# Altium PCB SAC100001-RFSENS.PcbDoc (part 4 of 4)
Units mm, origin at the board's own origin, x right, y up, seen from the top; angles counter-clockwise.
Board outline 131 x 101.6 mm, 4 copper layers (TOP, GND, PWR, BOT), stack 1.57 mm thick; 321 components, 246 nets, 1159 pads, 1505 vias.
Unrouted connection lines stored in the file: 2.
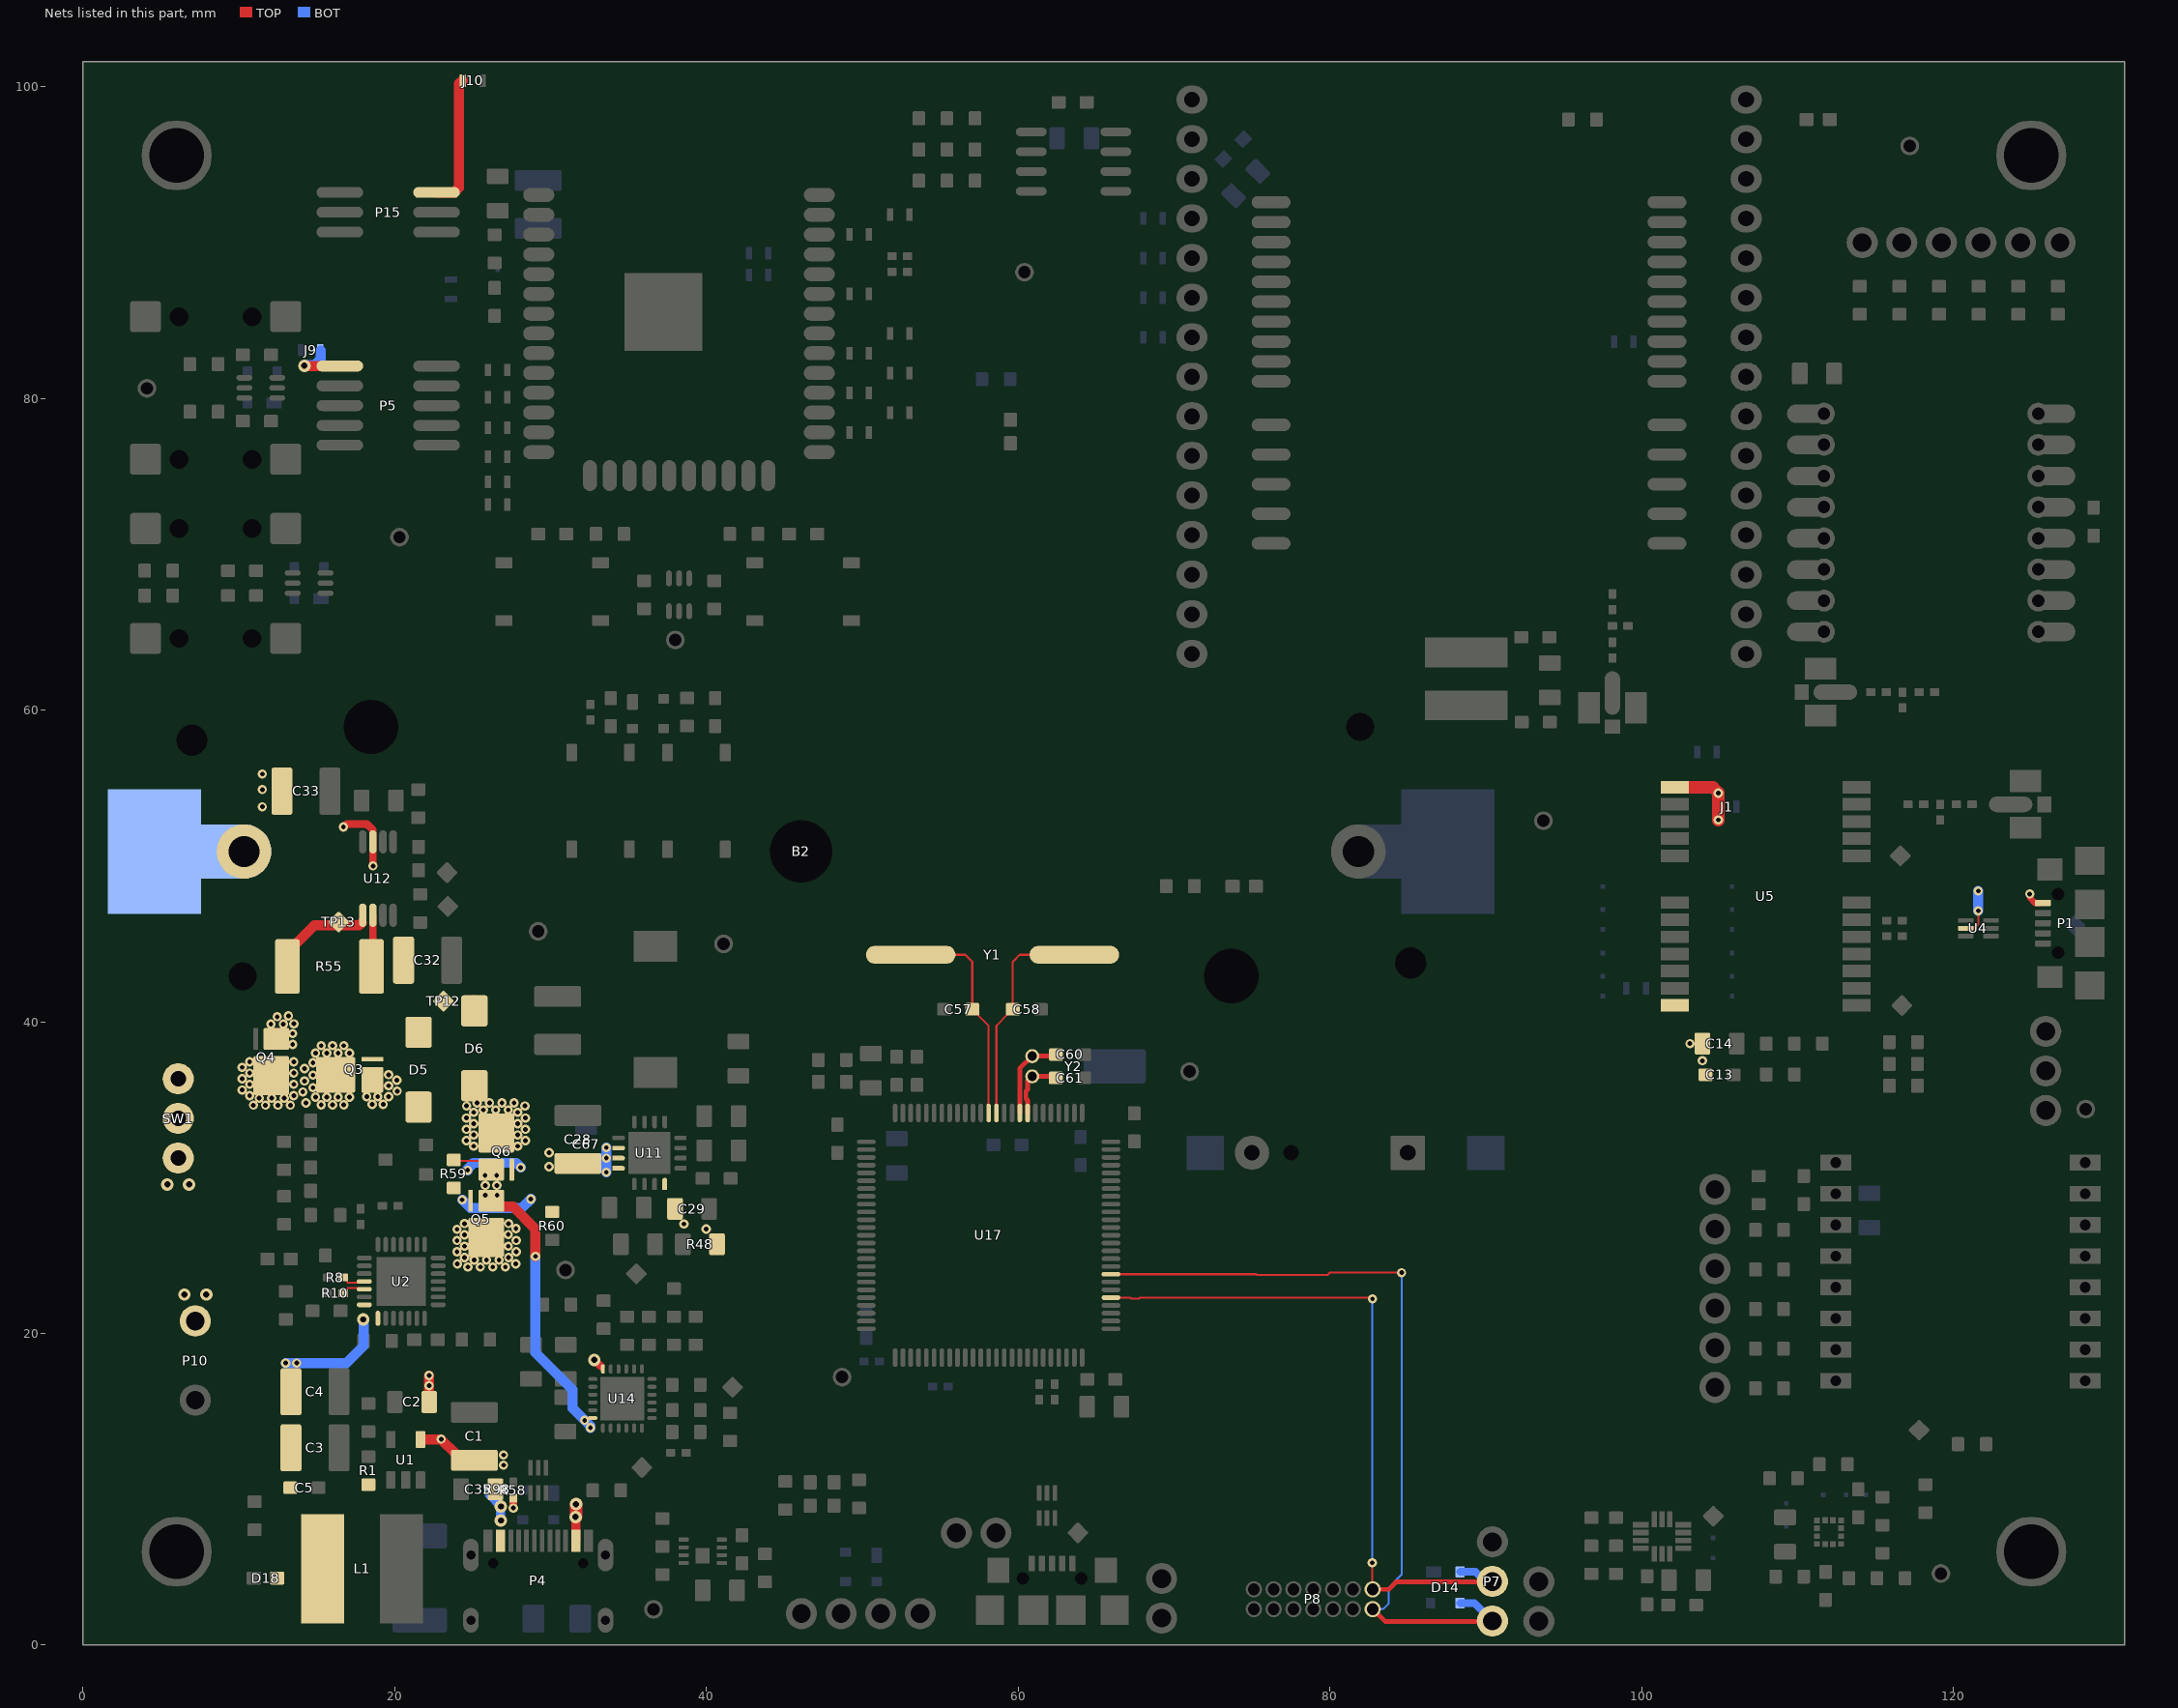
[diagram p6: the nets of this part, all layers, seen from the top]

## Via types
v1: diameter 0.6, hole 0.3, TOP to BOT, tented both sides, 1076 vias
v2: diameter 0.6/0.6 (per signal layer), hole 0.3, TOP to BOT, tented both sides, 359 vias
v3: diameter 0.8, hole 0.4, TOP to BOT, tented both sides, 70 vias

## Nets (pads, with @x,y where several pads share a name; then routed paths per layer and width w, separated by ;. In a path a pad name is that pad's centre, name@x,y a point inside that pad or via, vN(x,y) a via of type N, cw(c..) or ccw(c..) an arc to the next point about the centre after c; other vN are vias at no path point) (continued)
UGND: C13.1 C14.1 J1.1 P1.5 U4.2 U5.13 U5.24 | length 8.8
  TOP w0.127: U4.2@120.795,46 120.818,46.023 121.355,46.023 121.6,46.268 v1(121.6,47.125)
  TOP w0.4: v1(124.9,48.2) 124.938,48.162 124.938,47.921 125.234,47.625 P1.5@125.56,47.625
  TOP w0.8: U5.13@102.116,55.05 102.85,55.05 104.575,55.05 v1@104.925,54.7 ; v1@104.925,52.925 v1@104.925,54.7 ; v1(104.925,54.675) v1@104.925,54.7
  BOT w0.65: v1(121.6,47.125) v1(121.6,48.4)
  other v1: 103.9,37.5 103.1,38.6 104.925,52.95
USB_D1_N: R10.2 U2.5 | length 1.6
  TOP w0.127: R10.2@16.687,22.59 16.737,22.59 16.923,22.777 16.923,22.851 16.997,22.925 17.575,22.925 17.66,22.84 U2.5@18.042,22.84
USB_D1_P: R8.2 U2.4 | length 1.6
  TOP w0.127: R8.2@16.687,23.59 16.737,23.59 16.923,23.404 16.923,23.33 16.997,23.255 17.575,23.255 17.66,23.34 U2.4@18.042,23.34
VB_CONST: D5.C Q3.1 SW1.1 | length 0.1
  TOP w0.65: Q3.1@18.9,35.9 Q3.1@18.925,35.875
  BOT w1.6: SW1.1@6.1,36.34 SW1.1@6.177,36.263
  other v1: 18.55,34.7 19.25,34.7 18.2,35.2 18.9,35.2 19.6,35.2 20.15,35.55 19.6,35.9 20.125,36.25 19.6,36.6
VBUS: D5.A D6.A Q3.2 Q6.3
  other v1: 25.063,32.015 27.887,32.015 24.597,32.375 28.375,32.375 25.063,32.74 27.887,32.74 24.597,33.1 28.375,33.1 25.063,33.465 27.887,33.465 24.597,33.825 28.375,33.825 25.063,34.19 27.887,34.19 25.675,34.35 26.475,34.35 27.275,34.35 24.6,34.6 28.35,34.6 25.275,34.8 26.075,34.8 26.875,34.8 27.65,34.8
VBUS_RAW: C1.1 C2.2 C35.2 P4.A4-B9 P4.A9-B4 Q5.3 R58.1 R98.2 U1.4 U14.18 | length 11.1
  TOP w0.5: v1(27.6,8.8) R58.1@27.6,9.4 ; v3(32.8,18.3) 32.825,18.3 U14.18@33.225,17.9
  TOP w0.6: P4.A9-B4@31.625,6.695 v3@31.625,8.05
  TOP w0.65: 22,13.2 22.975,13.2 23.915,12.26 23.915,12.205 C1.1@24.26,11.86 ; C2.2@22.2,15.6 v1(22.2,16.65) v1(22.2,17.3) ; C1.1@25.1,11.86 C1.1@25.16,11.8 ; v3(26.8,8.9) v3@26.829,8.871
  TOP w0.8: v3@31.625,8.224 31.625,9.043 v3(31.629,9.046)
  BOT w0.5: v3@32.731,18.231 v3(32.8,18.3)
  BOT w0.6: R98.2@26.075,9.95 26.075,9.666 v3@26.8,8.941 ; v3@26.775,8 v3@26.775,8.75
  BOT w0.65: v3(26.8,8.9) v3@26.8,8.941 ; v3(31.601,8.224) 31.615,8.238 31.615,9.032 v3(31.629,9.046)
  other v1: 26.975,11.55 26.975,12.2 22.972,13.215 24.687,24.264 25.487,24.264 26.287,24.264 27.087,24.264 24.012,24.464 27.762,24.464 25.087,24.714 25.887,24.714 26.687,24.714 24.474,24.874 27.299,24.874 23.987,25.239 27.787,25.239 24.474,25.599 27.278,25.602 23.987,25.964 27.787,25.964 24.474,26.324 27.278,26.353 23.987,26.689 27.778,26.728 24.474,27.049 27.299,27.049
  other v3: 26.8,8
VBUSc: C32.1 D6.C R55.1 TP12.1 U12.2 | length 2.6
  TOP w0.49: R55.1@18.591,44.459 U12.2@18.591,46.839
  TOP w1.6: D6.C@25.05,40.9 25.1,40.85 D6.C@25.1,40.7
VBUSd: Q5.2 Q6.2 R59.1 R60.2 | length 8.6
  BOT w0.65: v1(24.325,28.575) 24.85,28.05 28.15,28.05 v1(28.725,28.625) ; v1(24.675,30.475) 24.675,30.569 25.056,30.95 27.775,30.95 v1(28.075,30.65)
VBUSi: Q5.1 Q6.1 R59.2 U14.24 | length 19.1
  TOP w0.127: R59.2@23.839,31.086 Q6.1@25.45,31.086
  TOP w0.25: U14.24@32.525,14.575 U14.24@32.7,14.575
  TOP w0.65: Q5.1@26.562,28.139 27.586,28.139 29.025,26.7 v1(29.025,24.95)
  BOT w0.65: v1(29.025,24.95) 29.025,18.775 31.4,16.4 31.4,15.2 v1(32.175,14.425) 32.55,14.05 v1(32.55,13.95)
  other v1: 25.812,28.864 26.562,28.864 25.8,29.5 26.55,29.5 25.787,30.139 26.537,30.139
VBUSs: Q4.1 R55.2 TP13.1 U12.1 | length 6.5
  TOP w0.65: R55.2@13.1,43.55 13.1,44.5 13.575,44.975 13.625,44.975 14.85,46.2 17.71,46.2 U12.1@17.868,46.358
  TOP w1.4: Q4.1@12.4,38.9 Q4.1@12.456,38.9
  other v1: 13.45,38.55 13.45,39.25 12.05,39.85 12.85,39.85 13.525,39.875 12.45,40.325 13.175,40.375
VCC_CP: C3.1 C4.1 C5.2 D18.A L1.2 R1.2 U2.7 U2.8 | length 7.2
  TOP w0.65: R1.2@18.25,10.3 R1.2@18.3,10.3
  BOT w0.65: v1(13,18.1) v1(13.7,18.1) 16.9,18.1 18,19.2 v3@18,20.9
  other v3: 17.975,20.9
VCCeprog: J10.1 P15.2 | length 8.6
  TOP w0.65: P15.2@22.675,93.22 23.811,93.22 24.1,93.509 24.1,100.175 24.325,100.4 J10.1@24.375,100.4
VCCjeprog: J9.1 P5.1 | length 5.2
  TOP w0.65: v3(14.2,82.1) 14.22,82.08 P5.1@16.475,82.08
  TOP w0.7: P5.1@15.35,82.09 P5.1@16.5,82.09
  BOT w0.65: v3(14.2,82.1) 14.229,82.129 14.829,82.129 15.243,82.543 J9.1@15.243,83.082
VCPRX: D14.3 P7.1 P8.13 U17.83 | length 51.5
  TOP w0.127: U17.83@65.95,23.8 75.257,23.8 75.311,23.746 79.832,23.746 79.986,23.9 84.5,23.9 v1@84.566,23.834
  TOP w0.3: P8.13@82.74,2.314 83.534,1.52 P7.1@89.835,1.52
  BOT w0.127: P8.13@82.74,2.314 83.414,2.314 83.775,2.675 83.775,3.7 84.6,4.525 v1(84.6,23.9)
  BOT w0.5: D14.3@88.35,2.7 89.27,2.7 P7.1@90.425,1.545
VCPTX: D14.2 P7.2 P8.14 U17.80 | length 45.6
  TOP w0.127: U17.80@65.95,22.3 67.184,22.3 67.261,22.223 67.739,22.223 67.816,22.3 v1@82.7,22.3 ; v1@82.7,22.4 v1@82.7,22.3 ; v1(82.71,5.29) 82.72,5.28 82.72,3.604 P8.14@82.74,3.584 ; v1(82.727,22.223) 82.7,22.25 v1@82.7,22.3
  TOP w0.3: P8.14@82.74,3.584 83.784,3.584 84.26,4.06 P7.2@90.2,4.06
  BOT w0.127: v1(82.71,5.29) 82.71,22.206 v1(82.727,22.223) ; P7.2@89.953,4.085 P7.2@90.425,4.085
  BOT w0.5: D14.2@88.35,4.7 89.338,4.7 P7.2@89.953,4.085
VIN_MAIN_DC: C28.1 C29.2 C67.2 R48.2 SW1.2 U11.2 U11.3 U11.4 U11.8 | length 3.8
  TOP w0.65: R48.2@40.675,25.724 R48.2@40.699,25.7
  BOT w0.65: C67.2@32.45,30.875 33.575,30.875 ; C67.2@32.45,31.225 v1@33.55,31.225 ; v1(33.575,30.35) 33.575,30.875 ; v1(33.575,31.925) 33.575,30.875
  other v1: 39.975,26.7 38.55,27.025 29.9,30.7 33.575,31.25 29.9,31.6
VLI-ION: B2.POS C33.1 Q3.3 Q4.3 U12.7 | length 4.5
  TOP w0.49: v1(16.7,52.5) 16.73,52.5 16.924,52.694 18.209,52.694 18.591,52.312 U12.7@18.591,51.549 v1@18.591,50
  TOP w1.6: B2.POS@10.325,50.925 B2.POS@10.325,50.975
  other v1: 10.925,34.65 11.7,34.65 12.5,34.65 13.3,34.65 15.275,34.675 16,34.675 16.725,34.675 14.3,34.8 11.3,35.1 12.1,35.1 12.9,35.1 14.91,35.163 15.635,35.163 16.36,35.163 17.085,35.163 10.688,35.26 13.512,35.26 14.1,35.5 10.2,35.625 14.75,35.775 10.688,35.985 13.512,35.985 14.2,36.2 10.2,36.35 14.75,36.575 10.688,36.71 13.512,36.71 14.2,37 10.2,37.075 14.75,37.375 10.688,37.435 13.512,37.435 14.91,37.987 15.635,37.987 16.36,37.987 17.085,37.987 15.275,38.475 16,38.475 16.725,38.475 18.6,50 11.5,53.8 11.5,54.9 11.5,55.9
VPLUG: P10.1 SW1.3
  other v3: 6.5,22.5 7.9,22.5 5.4,29.56 6.8,29.56
Y8A: C57.2 U17.13 Y1.1 | length 13.8
  TOP w0.127: Y1.1@53.1,44.3 56.6,44.3 57.05,43.85 C57.2@57.05,40.8 ; C57.2@57.373,40.477 58.1,39.75 U17.13@58.1,34.15
Y8B: C58.2 U17.12 Y1.2 | length 14.3
  TOP w0.127: U17.12@58.6,34.15 58.6,39.75 59.327,40.477 59.327,40.527 59.6,40.8 C58.2@59.65,40.8 59.65,43.85 60.1,44.3 Y1.2@63.6,44.3
Y32A: C60.2 U17.9 Y2.1 | length 5.5
  TOP w0.127: C60.2@62.325,37.8 C60.2@62.425,37.9
  TOP w0.3: U17.9@60.1,34.15 60.1,37 Y2.1@60.9,37.8 C60.2@62.325,37.8
Y32B: C61.2 U17.8 Y2.2 | length 4
  TOP w0.3: U17.8@60.6,34.15 60.6,34.951 60.493,35.058 60.493,35.555 60.6,35.662 60.6,36.225 60.875,36.5 Y2.2@60.9,36.5 C61.2@62.325,36.5
pads on no net: B1.H B2.MECH HOLE1.None HOLE2.None HOLE3.None HOLE4.None P1.None P1.S1 P1.S2 P1.S3 P1.S4 P1.S5 P1.S6 P4.A8 P4.B8 P4.MECH P5.10 P8.1 P8.2 P9.None P9.S1 P9.S2 P9.S3 P9.S4 P9.S5 P9.S6 SW2.MECH SW3.MECH SW8.MECH SW9.MECH U1.1 U2.1 U2.2 U2.10 U2.12 U2.13 U2.14 U2.15 U2.16 U2.17 U2.18 U2.19 U2.20 U2.21 U2.22 U2.23 U2.27 U3.3 U3.8 U3.9 U3.13 U3.14 U3.15 U3.22 U3.24 U3.26 U3.27 U3.28 U3.29 U5.15 U5.16 U5.17 U14.20 U16.4 U16.5 U16.6 U16.7 U16.8 U16.9 U16.12 U16.17 U16.18 U16.19 U16.20 U16.21 U16.22 U16.24 U16.32 U17.33
copper on no net: | length 6.5
  TOP w0.127: 101.625,82.377 103.081,82.377 106.605,78.853 106.705,78.853

## Polygon pours and split planes (outlines as drawn)
GND on TOP "GND_L01_P099" (solid, pour order 99): 1,100.6 130,100.6 130,1 1,1
GND on TOP "GND_L01_P102" (solid, pour order 102): 26.457,47.182 30.518,47.182 31.3,46.4 31.3,45.63 28.592,42.922
GND on TOP "GND_L01_P101" (solid, pour order 101): 67.3,6.4 67.3,0.5 74.276,0.5 74.276,6.4
GND on TOP "GND_L01_P091" (solid, pour order 91): 1,77.6 4.5,77.6 5.5,78.6 5.5,81.1 4.5,82.1 4.5,85.95 5.15,86.6 1,86.6
GND on TOP "GND_L01_P100" (solid, pour order 100): 95.125,2.5 95.125,1 113.801,1 113.801,2.5
GND on TOP "GND_L01_P098" (solid, pour order 98): 95.125,2.775 95.125,1 99.75,1 99.75,2.775
GND on TOP "GND_L01_P096" (solid, pour order 96): 117.476,5.9 117.476,1.507 121.376,1.507 121.376,5.9
GND on TOP "GND_L01_P094" (solid, pour order 94): 130,41.3 127.1,41.3 127.1,31.719 130,31.719
GND on TOP "GND_L01_P093" (solid, pour order 93): 130,100.6 130,92.3 114.75,92.3 114.75,100.6
GND on TOP "GND_L01_P092" (solid, pour order 92): 130,1 121.7,1 121.7,9.4 130,9.4
GND on TOP "GND_L01_P089" (solid, pour order 89): 1,1 1,9.3 9.4,9.3 9.4,1
GND on TOP "GND_L01_P095" (solid, pour order 95): 130,16.211 127.075,16.211 127.075,9.15 130,9.15
RFGND on TOP "TOP-RFGND 1" (solid, pour order 81): 96.25,58.1 100,58.1 100.75,58.85 110.25,58.85 119.85,58.85 124.3,63.3 128.1,63.3 128.9,64.1 128.9,65.6 128.7,65.8 123.1,65.8 120.8,63.5 109.85,63.5 108.25,65.1 108.25,69.1 107.75,69.6 105.75,69.6 104.25,71.1 104.25,74.1 103.25,75.1 99.5,75.1 95.5,71.1 95.5,62.1 95,61.6 93.5,61.6 93.2,61.3 93.2,59 94.1,58.1
RFGND on TOP "TOP-RFGND" (solid, pour order 78): 70,70.6 70.75,69.85 96.613,69.85 99.75,72.987 99.75,75.1 95.75,79.1 75,79.1 73.25,77.35 73.25,76.1 72,74.85 70.5,74.85 70,74.35 70,73.1 70,72.6
RFGND on TOP "Top Layer-RFGND 2" (solid, pour order 66): 121.7,62.561 121.7,55.45 118.25,55.45 117.8,55 111.8,55 106.899,59.901
RFGND on TOP "Top Layer-RFGND" (solid, pour order 20): 111.8,52.6 112.05,52.35 120.925,52.35 121.575,51.7 125.8,51.7 126.3,52.2 126.3,55.7 125.8,56.2 121.525,56.2 120.925,55.6 112.3,55.6 111.8,55.1
no net on TOP "Top Layer-No Net 5" (solid, pour order 56): 104.25,71.1 103.75,71.1
GND on BOT "GND_L04_P087" (solid, pour order 87): 1,100.6 130,100.6 130,1 1,1
GND on BOT "GND_L04_P097" (solid, pour order 97): 95.125,2.3 95.125,1 113.801,1 113.801,2.3
GND on BOT "GND_L04_P069" (solid, pour order 69): 18.9,24.8 21.9,24.8 21.9,21.8 18.9,21.8
GND on GND (split plane): 130.49,66.202 122.725,66.202 122.686,66.194 122.653,66.172 120.433,63.952 109.292,63.952 108.352,64.892 108.352,69.1 108.344,69.139 108.322,69.172 103.122,74.372 103.089,74.394 103.05,74.402 99.2,74.402 99.161,74.394 99.128,74.372 96.178,71.422 96.156,71.389 96.148,71.35 96.148,63.392 94.928,62.172 94.906,62.139 94.898,62.1 94.898,58.1 94.906,58.061 94.928,58.028 97.586,55.369 97.619,55.347 97.658,55.34 103.806,55.34 103.806,50.892 103.814,50.853 103.836,50.819 104.698,49.958 104.698,44.942 102.678,42.922 102.656,42.889 102.648,42.85 102.648,40.792 102.428,40.572 102.406,40.539 102.398,40.5 102.398,37.85 102.406,37.811 102.428,37.778 103.428,36.778 103.461,36.756 103.5,36.748 104.25,36.748 104.289,36.756 104.322,36.778 104.822,37.278 104.844,37.311 104.852,37.35 104.852,37.808 106.972,39.928 106.994,39.961 107.002,40 107.002,42.358 113.142,48.498 117.158,48.498 118.028,47.628 118.061,47.606 118.1,47.598 121.958,47.598 122.228,47.328 122.261,47.306 122.3,47.298 125,47.298 125.039,47.306 125.072,47.328 125.672,47.928 125.694,47.961 125.702,48 125.702,48.6 125.694,48.639 125.672,48.672 125.272,49.072 125.239,49.094 125.2,49.102 122.459,49.102 121.489,50.072 121.456,50.094 121.417,50.102 107.742,50.102 105.702,52.142 105.702,55.34 107.866,55.34 111.678,51.528 111.711,51.506 111.75,51.498 130.49,51.498 130.49,0.51 0.51,0.51 0.51,101.09 28.5,101.09 28.5,94.1 48,94.1 48,101.09 130.49,101.09
UGND on GND (split plane): 105.498,52.1 105.506,52.061 105.528,52.028 107.628,49.928 107.661,49.906 107.7,49.898 121.375,49.898 122.345,48.928 122.378,48.906 122.417,48.898 125.158,48.898 125.498,48.558 125.498,48.042 124.958,47.502 122.342,47.502 122.072,47.772 122.039,47.794 122,47.802 118.142,47.802 117.272,48.672 117.239,48.694 117.2,48.702 113.1,48.702 113.061,48.694 113.028,48.672 106.828,42.472 106.806,42.439 106.798,42.4 106.798,40.042 104.678,37.922 104.656,37.889 104.648,37.85 104.648,37.392 104.208,36.952 103.542,36.952 102.602,37.892 102.602,40.458 102.822,40.678 102.844,40.711 102.852,40.75 102.852,42.808 104.872,44.828 104.894,44.861 104.902,44.9 104.902,50 104.894,50.039 104.872,50.072 104.01,50.934 104.01,55.34 105.498,55.34
RFGND on GND (split plane): 108.148,69.058 108.148,64.85 108.156,64.811 108.178,64.778 109.178,63.778 109.211,63.756 109.25,63.748 120.475,63.748 120.514,63.756 120.547,63.778 122.767,65.998 130.49,65.998 130.49,51.702 111.792,51.702 107.981,55.514 107.947,55.536 107.908,55.544 97.701,55.544 95.102,58.142 95.102,62.058 96.322,63.278 96.344,63.311 96.352,63.35 96.352,71.308 99.242,74.198 103.008,74.198
CP_LDO on PWR (split plane): 14.621,25.465 13.803,24.647 13.781,24.614 13.773,24.575 13.773,19.404 10.179,19.404 9.149,20.434 9.107,20.462 9.102,20.463 9.102,31.098 14.621,31.098
3V3 on PWR (split plane): 130.49,0.51 54.455,0.51 55.172,1.228 55.194,1.261 55.202,1.3 55.202,3.3 55.194,3.339 55.172,3.372 51.872,6.672 51.839,6.694 51.8,6.702 47.3,6.702 47.261,6.694 47.228,6.672 46.228,5.672 46.206,5.639 46.198,5.6 46.198,4.7 46.206,4.661 46.228,4.628 47.198,3.658 47.198,1.617 46.728,1.147 46.706,1.114 46.698,1.075 46.698,0.51 34.749,0.51 34.747,0.52 34.736,0.536 34.72,0.547 34.7,0.551 34.627,0.551 34.627,2.6 34.618,2.649 34.59,2.69 33.59,3.69 33.549,3.718 33.5,3.727 24.9,3.727 24.851,3.718 24.81,3.69 23.81,2.69 23.782,2.649 23.773,2.6 23.773,0.551 23.7,0.551 23.68,0.547 23.664,0.536 23.653,0.52 23.651,0.51 0.51,0.51 0.51,101.09 28.5,101.09 28.5,94.1 48,94.1 48,101.09 97.073,101.09 97.073,97.5 97.082,97.451 97.11,97.41 97.473,97.047 97.473,95.9 97.482,95.851 97.51,95.81 98.21,95.11 98.238,95.091 98.251,95.082 98.3,95.073 108.9,95.073 108.949,95.082 108.99,95.11 111.29,97.41 111.318,97.451 111.327,97.5 111.327,101.09 130.49,101.09
VPLUG on PWR (split plane): 8.898,31.158 8.898,20.428 8.878,20.414 8.856,20.381 8.848,20.342 8.856,20.303 8.857,20.301 8.058,19.502 6.542,19.502 4.802,21.242 4.802,31.958 5.242,32.398 7.658,32.398
VIN_MAIN_DC on PWR (split plane): 30.098,34.958 30.098,32.8 30.106,32.761 30.128,32.728 30.528,32.328 30.561,32.306 30.6,32.298 34.358,32.298 34.498,32.158 34.498,30.3 34.498,30.275 34.506,30.236 34.528,30.203 36.378,28.353 36.411,28.331 36.45,28.323 39.008,28.323 40.478,26.853 40.511,26.831 40.55,26.823 41.733,26.823 42.598,25.958 42.598,25.142 42.058,24.602 38.767,24.602 38.372,24.997 38.339,25.019 38.3,25.027 35.917,25.027 33.677,27.267 33.677,28.45 33.669,28.489 33.647,28.522 32.322,29.847 32.289,29.869 32.25,29.877 29.267,29.877 29.022,30.123 28.302,30.842 28.302,33.9 28.294,33.939 28.272,33.972 27.772,34.472 27.739,34.494 27.7,34.502 25.1,34.502 25.061,34.494 25.028,34.472 21.858,31.302 14.826,31.302 14.8,31.32 14.75,31.329 14.7,31.32 14.674,31.302 9.042,31.302 7.772,32.572 7.739,32.594 7.7,32.602 5.142,32.602 4.602,33.142 4.602,34.558 5.042,34.998 9.358,34.998 10.828,33.528 10.861,33.506 10.9,33.498 19.4,33.498 19.439,33.506 19.472,33.528 22.442,36.498 28.558,36.498
VLI-ION on PWR (split plane): 13.998,56.058 13.998,54.8 14.006,54.761 14.028,54.728 15.728,53.028 15.761,53.006 15.8,52.998 17.658,52.998 18.498,52.158 18.498,50.9 18.506,50.861 18.528,50.828 19.298,50.058 19.298,49.742 18.958,49.402 14.2,49.402 14.161,49.394 14.128,49.372 12.003,47.247 11.981,47.214 11.973,47.175 11.973,41.842 11.128,40.997 11.106,40.964 11.098,40.925 11.098,38.2 11.106,38.161 11.128,38.128 11.453,37.803 11.486,37.781 11.525,37.773 17.383,37.773 17.498,37.658 17.498,33.702 10.942,33.702 9.472,35.172 9.439,35.194 9.4,35.202 8.598,35.202 8.595,35.204 8.556,35.212 7.527,35.212 7.527,36.95 7.519,36.989 7.497,37.022 5.552,38.967 5.552,52.308 9.642,56.398 13.658,56.398
VBUS_RAW on PWR (split plane): 27.498,27.158 27.498,24.642 26.528,23.672 26.506,23.639 26.498,23.6 26.498,17.025 26.506,16.986 26.528,16.953 28.503,14.978 28.536,14.956 28.575,14.948 30.275,14.948 30.314,14.956 30.347,14.978 31.072,15.703 31.094,15.736 31.102,15.775 31.102,17.258 31.497,17.653 31.519,17.686 31.527,17.725 31.527,19.458 32.217,20.148 33.358,20.148 33.748,19.758 33.748,18.042 33.028,17.322 33.006,17.289 32.998,17.25 32.998,12.842 32.303,12.147 32.281,12.114 32.273,12.075 32.273,9.275 32.273,7.867 31.916,7.51 31.334,7.51 31.077,7.767 31.077,9.333 31.272,9.528 31.294,9.561 31.302,9.6 31.302,11.3 31.294,11.339 31.272,11.372 30.997,11.647 30.964,11.669 30.925,11.677 29.05,11.677 29.011,11.669 28.978,11.647 27.928,10.597 27.906,10.564 27.898,10.525 27.898,8.642 27.403,8.147 27.381,8.114 27.373,8.075 27.373,7.417 27.058,7.102 26.442,7.102 26.227,7.317 26.227,9.875 26.219,9.914 26.197,9.947 25.172,10.972 25.139,10.994 25.1,11.002 23.742,11.002 21.402,13.342 21.402,17.483 21.917,17.998 22.9,17.998 22.939,18.006 22.972,18.028 23.872,18.928 23.894,18.961 23.902,19 23.902,26.858 24.442,27.398 27.258,27.398
TYPEC_SHIELD on PWR (split plane): 34.373,2.547 34.373,0.51 24.027,0.51 24.027,2.547 24.953,3.473 33.447,3.473